# Allegro board BeagleBone-AI.brd (continued)
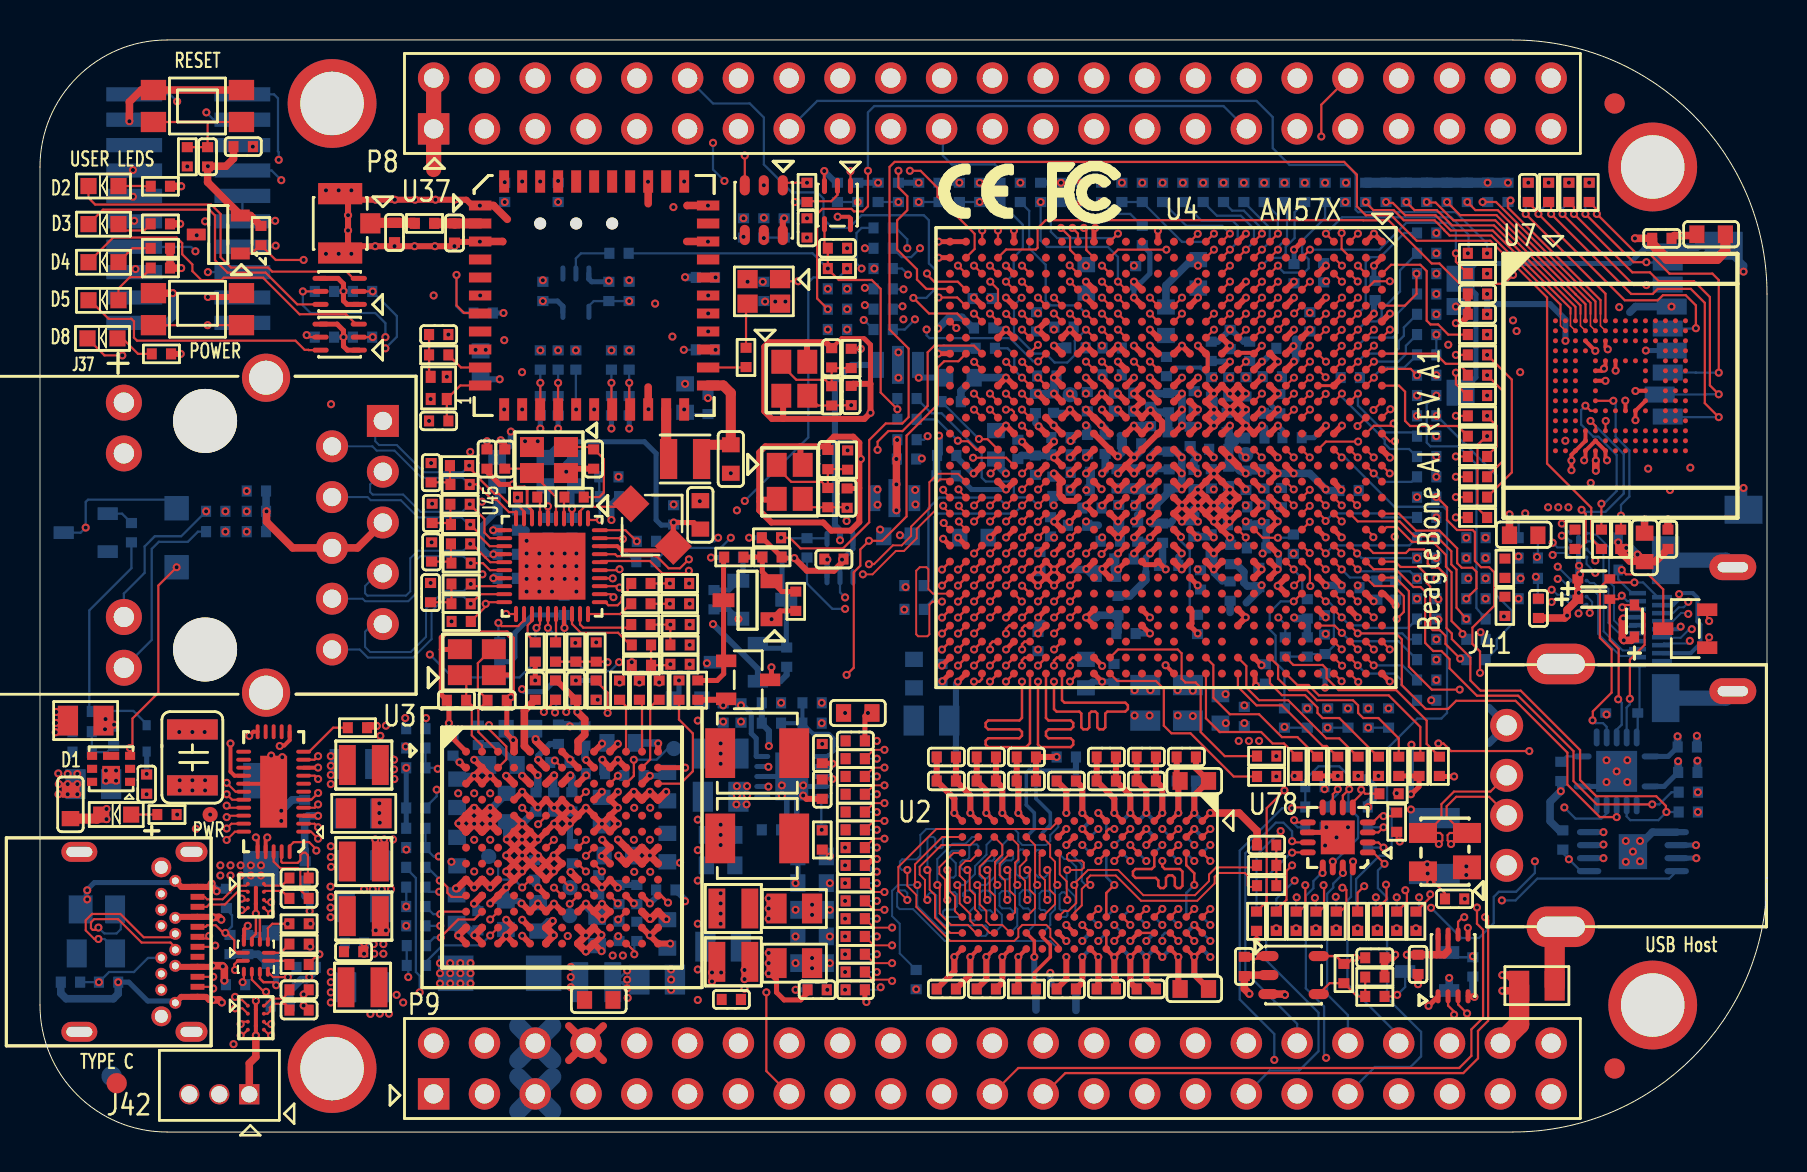
[diagram p0: board, top side]
## Nets (continued)
VDD_TYPE C: C480.1 C481.1 C482.1 C483.1 D81.1(A) Q15.1(D3) Q15.2(D4) Q15.5(D1) Q15.6(D2) Q15.7(D5) Q19.2 R555.2
A3_GPIO4_27: R682.1 U4.A3(VIN2A_D19/RGMII1_RXCTL)
A5_VOUT1_D12: R628.1 U4.A5(VOUT1_D12)
A7_GPIO8_18: P8.17 U4.A7(VOUT1_D18)
A8_GPIO8_19: R667.1 U4.A8(VOUT1_D19)
A9_GPIO8_21: R624.2 U4.A9(VOUT1_D21)
A10_GPIO8_23: R665.1 U4.A10(VOUT1_D23)
A11_SPI3_D1: R643.1 U4.A11(MCASP1_AXR9/PR2_MII0_TXD3)
A12_SPI3_CS0: P9.28 U4.A12(MCASP1_AXR11/PR2_MII0_TXD1)
A13_TIMER10: P8.10 U4.A13(MCASP1_AXR13/PR2_MII_MR0_CLK)
A21_UART8_TXD: R627.1 U4.A21(MCASP4_FSX/SPI3_D1)
A22_SPI2_CS1: P9.23 U4.A22(SPI1_CS1)
A26_UART3_RXD: R697.1 U4.A26(SPI2_SCLK)
AB5_MMC3_DATA7: P8.4 U4.AB5(MMC3_DAT7/PR2_MII1_RXD0)
AB8_MMC3_DATA6: P8.3 U4.AB8(MMC3_DAT6/PR2_MII1_RXD1)
AC3_MMC3_DATA3: P8.6 U4.AC3(MMC3_DAT3/PR2_MII1_RXDV)
AC4_MMC3_CMD: P8.20 U4.AC4(MMC3_CMD/PR2_MII1_TXD2)
AC6_MMC3_DATA1: P8.24 U4.AC6(MMC3_DAT1/PR2_MII1_TXD0)
AC7_MMC3_DATA0: P8.25 U4.AC7(MMC3_DAT0/PR2_MII1_TXD1)
AC8_MMC3_DATA4: P8.23 U4.AC8(MMC3_DAT4/PR2_MII1_RXD3)
AC9_MMC3_DATA2: P8.5 U4.AC9(MMC3_DAT2/PR2_MII_MR1_CLK)
AD4_MMC3_CLK: P8.21 R585.2
AD6_MMC3_DATA5: P8.22 U4.AD6(MMC3_DAT5/PR2_MII1_RXD2)
AD9_EQEP1A_IN: R629.1 U4.AD9(VIN1A_DE0)
AE2_GPIO3_24: R653.1 U4.AE2(VIN1A_D20)
AF8_TIMER13: R694.1 U4.AF8(VIN1A_VSYNC0)
AF9_EQEP1B_IN: R615.1 U4.AF9(VIN1A_FLD0)
AG4_GPIO3_12: P9.15 U4.AG4(VIN1A_D8)
AG6_GPIO3_10: P8.12 U4.AG6(VIN1A_D6)
AH4_GPIO3_11: P8.11 U4.AH4(VIN1A_D7)
AIN0: P9.39 U78.13(X+/AIN4/GPIO4)
AIN1: P9.40 U78.16(X-/AIN6/GPIO6)
AIN2: P9.37 U78.1(Y-/AIN7/GPIO7)
AIN3: P9.38 U78.15(Y+/AIN5/GPIO5)
AIN4: P9.33 U78.12(AIN3/GPIO3)
AIN5: P9.36 U78.11(AIN2/GPIO2)
AIN6: P9.35 U78.8(AIN0/GPIO0)
B3_GPIO4_28: P8.26 U4.B3(VIN2A_D20/RGMII1_RXD3)
B4_GPIO4_29: P8.16 U4.B4(VIN2A_D21/RGMII1_RXD2)
B7_GPIO8_16: R663.1 U4.B7(VOUT1_D16)
B8_GPIO8_17: R688.1 U4.B8(VOUT1_D17)
B9_GPIO8_22: R621.1 U4.B9(VOUT1_D22)
B10_VOUT1_DE: R620.1 U4.B10(VOUT1_DE)
B12_SPI3_SCLK: R645.1 U4.B12(MCASP1_AXR8/PR2_MII0_TXEN)
B13_SPI3_D0: P9.30 U4.B13(MCASP1_AXR10/PR2_MII0_TXD2)
B14_MCASP_ACLKR: P9.12 U4.B14(MCASP1_ACLKR)
B19_UART5_RXD: R687.1 U4.B19(MCASP3_AXR0/PR2_MII1_RXER)
B22_UART3_TXD: R695.1 U4.B22(SPI2_D1)
B24_SPI2_CS0: R632.1 U4.B24(SPI2_CS0)
B26_TIMER15: R696.1 U4.B26(XREF_CLK2)
C1_GPIO4_7: R580.2 U4.C1(VIN2A_D6/PR1_MII_MT1_CLK)
C2_GPIO4_14: R578.1 U4.C2(VIN2A_D13/RGMII1_TXCTL)
C3_GPIO4_15: R668.1 U4.C3(VIN2A_D14/RGMII1_TXD3)
C5_EHRPWM3B: P9.16 U4.C5(VIN2A_D18/RGMII1_RXC)
C6_VOUT1_D13: R614.1 U4.C6(VOUT1_D13)
C7_VOUT1_D15: R616.1 U4.C7(VOUT1_D15)
C8_VOUT1_D14: R619.1 U4.C8(VOUT1_D14)
C9_GPIO8_20: R623.1 U4.C9(VOUT1_D20)
C11_VOUT1_HSYNC: R625.1 U4.C11(VOUT1_HSYNC)
C14_MCASP1_ACLKX: R646.1 U4.C14(MCASP1_ACLKX/PR2_MDIO_MDCLK)
C17_UART5_TXD: P9.13 U4.C17(MCASP3_AXR1/PR2_MII1_RXLINK)
C18_UART8_RXD: R630.2 U4.C18(MCASP4_ACLKX/SPI3_SCLK)
C23_CLKOUT3: R579.1 U4.C23(XREF_CLK3/CLKOUT3)
CC1: D46.2 J42.A5(CC1) R533.1 U22.1(CC1)
CC2: D47.2 J42.B5(CC2) R534.1 U22.2(CC2)
CLKOUT3: P9.41 R579.2 R580.1
D1_GPIO4_3: R681.1 U4.D1(VIN2A_D2/ECAP1_IN_PWM1)
D2_UART10_CTSN: R639.1 U4.D2(VIN2A_D4)
D3_EHRPWM2B: P8.13 U4.D3(VIN2A_D10/PR1_MDIO_MDCLK)
D5_GPIO4_13: P8.14 U4.D5(VIN2A_D12/RGMII1_TXC)
D6_EHRPWM3A: P9.14 U4.D6(VIN2A_D17/RGMII1_TXD0)
D7_VOUT1_D10: R685.1 U4.D7(VOUT1_D10)
D8_VOUT1_D11: R683.1 U4.D8(VOUT1_D11)
D9_VOUT1_D9: R631.1 U4.D9(VOUT1_D9)
D11_VOUT1_CLK: R622.1 U4.D11(VOUT1_CLK)
D14_MCASP1_FSX: R644.1 U4.D14(MCASP1_FSX/PR2_MDIO_DATA)
D17_UART8_RTSN: R617.1 U4.D17(MCASP4_AXR1/SPI3_CS0)
D18_GPIO6_17: P9.25 R584.2
DC_SW_CTL: C457.2 D77.2(C) Q15.3(G) R553.2 R554.1
DDR1_A0: R36.1 U2.N3(A0) U4.AD20(DDR1_A0) U11.N3(A0)
DDR1_A1: R137.1 U2.P7(A1) U4.AC19(DDR1_A1) U11.P7(A1)
DDR1_A2: R37.1 U2.P3(A2) U4.AC20(DDR1_A2) U11.P3(A2)
DDR1_A3: R39.1 U2.N2(A3) U4.AB19(DDR1_A3) U11.N2(A3)
DDR1_A4: R136.1 U2.P8(A4) U4.AF21(DDR1_A4) U11.P8(A4)
DDR1_A5: R43.1 U2.P2(A5) U4.AH22(DDR1_A5) U11.P2(A5)
DDR1_A6: R131.1 U2.R8(A6) U4.AG23(DDR1_A6) U11.R8(A6)
DDR1_A7: R160.1 U2.R2(A7) U4.AE21(DDR1_A7) U11.R2(A7)
DDR1_A8: R123.1 U2.T8(A8) U4.AF22(DDR1_A8) U11.T8(A8)
DDR1_A9: R40.1 U2.R3(A9) U4.AE22(DDR1_A9) U11.R3(A9)
DDR1_A10: R125.1 U2.L7(A10) U4.AD21(DDR1_A10) U11.L7(A10)
DDR1_A11: R31.1 U2.R7(A11) U4.AD22(DDR1_A11) U11.R7(A11)
DDR1_A12: R132.1 U2.N7(A12) U4.AC21(DDR1_A12) U11.N7(A12)
DDR1_A13: R142.1 U2.T3(A13) U4.AF18(DDR1_A13) U11.T3(A13)
DDR1_A14: R128.1 U2.T7(A14) U4.AE17(DDR1_A14) U11.T7(A14)
DDR1_A15: R30.1 U2.M7(A15) U4.AD18(DDR1_A15) U11.M7(A15)
DDR1_BA0: R33.1 U2.M2(BA0) U4.AF17(DDR1_BA0) U11.M2(BA0)
DDR1_BA1: R34.1 U2.N8(BA1) U4.AE18(DDR1_BA1) U11.N8(BA1)
DDR1_BA2: R42.1 U2.M3(BA2) U4.AB18(DDR1_BA2) U11.M3(BA2)
DDR1_CASN: R140.1 U2.K3(CASN) U4.AC18(DDR1_CASN) U11.K3(CASN)
DDR1_CKE: R126.1 U2.K9(CKE) U4.AG22(DDR1_CKE) U11.K9(CKE)
DDR1_CLK0: R26.1 U2.J7(CK) U4.AG24(DDR1_CK) U11.J7(CK)
DDR1_CLK0N: R29.1 U2.K7(CKN) U4.AH24(DDR1_CKN) U11.K7(CKN)
DDR1_CSN0: R129.1 U2.L2(CSN) U4.AH23(DDR1_CSN0) U11.L2(CSN)
DDR1_D0: U4.AF25(DDR1_D0) U11.E3(DQ0)
DDR1_D1: U4.AF26(DDR1_D1) U11.F2(DQ2)
DDR1_D2: U4.AG26(DDR1_D2) U11.H7(DQ7)
DDR1_D3: U4.AH26(DDR1_D3) U11.H8(DQ5)
DDR1_D4: U4.AF24(DDR1_D4) U11.G2(DQ6)
DDR1_D5: U4.AE24(DDR1_D5) U11.H3(DQ4)
DDR1_D6: U4.AF23(DDR1_D6) U11.F7(DQ1)
DDR1_D7: U4.AE23(DDR1_D7) U11.F8(DQ3)
DDR1_D8: U4.AC23(DDR1_D8) U11.A2(DQ13)
DDR1_D9: U4.AF27(DDR1_D9) U11.D7(DQ8)
DDR1_D10: U4.AG27(DDR1_D10) U11.B8(DQ14)
DDR1_D11: U4.AF28(DDR1_D11) U11.C8(DQ10)
DDR1_D12: U4.AE26(DDR1_D12) U11.C3(DQ9)
DDR1_D13: U4.AC25(DDR1_D13) U11.C2(DQ11)
DDR1_D14: U4.AC24(DDR1_D14) U11.A7(DQ12)
DDR1_D15: U4.AD25(DDR1_D15) U11.A3(DQ15)
DDR1_D16: U2.H8(DQ5) U4.V20(DDR1_D16)
DDR1_D17: U2.H7(DQ7) U4.W20(DDR1_D17)
DDR1_D18: U2.E3(DQ0) U4.AB28(DDR1_D18)
DDR1_D19: U2.F2(DQ2) U4.AC28(DDR1_D19)
DDR1_D20: U2.G2(DQ6) U4.AC27(DDR1_D20)
DDR1_D21: U2.F7(DQ1) U4.Y19(DDR1_D21)
DDR1_D22: U2.H3(DQ4) U4.AB27(DDR1_D22)
DDR1_D23: U2.F8(DQ3) U4.Y20(DDR1_D23)
DDR1_D24: U2.A7(DQ12) U4.AA23(DDR1_D24)
DDR1_D25: U2.D7(DQ8) U4.Y22(DDR1_D25)
DDR1_D26: U2.C8(DQ10) U4.Y23(DDR1_D26)
DDR1_D27: U2.C3(DQ9) U4.AA24(DDR1_D27)
DDR1_D28: U2.B8(DQ14) U4.Y24(DDR1_D28)
DDR1_D29: U2.A2(DQ13) U4.AA26(DDR1_D29)
DDR1_D30: U2.A3(DQ15) U4.AA25(DDR1_D30)
DDR1_D31: U2.C2(DQ11) U4.AA28(DDR1_D31)
DDR1_DQM0: U4.AD23(DDR1_DQM0) U11.E7(LDM)
DDR1_DQM1: U4.AB23(DDR1_DQM1) U11.D3(UDM)
DDR1_DQM2: U2.E7(LDM) U4.AC26(DDR1_DQM2)
DDR1_DQM3: U2.D3(UDM) U4.AA27(DDR1_DQM3)
DDR1_DQS0: U4.AH25(DDR1_DQS0) U11.F3(LDQS)
DDR1_DQS1: U4.AE27(DDR1_DQS1) U11.C7(UDQS)
DDR1_DQS2: U2.F3(LDQS) U4.AD27(DDR1_DQS2)
DDR1_DQS3: U2.C7(UDQS) U4.Y28(DDR1_DQS3)
DDR1_DQSN0: U4.AG25(DDR1_DQS0N) U11.G3(LDQSN)
DDR1_DQSN1: U4.AE28(DDR1_DQS1N) U11.B7(UDQSN)
DDR1_DQSN2: U2.G3(LDQSN) U4.AD28(DDR1_DQS2N)
DDR1_DQSN3: U2.B7(UDQSN) U4.Y27(DDR1_DQS3N)
DDR1_ODT0: R161.1 U2.K1(ODT) U4.AE20(DDR1_ODT0) U11.K1(ODT)
DDR1_RASN: R25.1 U2.J3(RASN) U4.AF20(DDR1_RASN) U11.J3(RASN)
DDR1_RST: R139.1 U2.T2(RESET#) U4.AG21(DDR1_RST) U11.T2(RESET#)
DDR1_WEN: R143.1 U2.L3(WEN) U4.AH21(DDR1_WEN) U11.L3(WEN)
DDR_VREF_IN: C1.1 R1.1 R2.1 U1.1(REFIN)
DDR_VREFSTL: C8.1 C20.1 C35.1 C98.1 C99.2 C143.2 C144.1 C158.1 C209.1 U1.6(REFOUT) U2.H1(VREF_DQ) U2.M8(VREF_CA) U4.N22(DDR2_VREF) U4.Y18(DDR1_VREF) U11.H1(VREF_DQ) U11.M8(VREF_CA)
DIR: R541.1 U22.4(DIR) U72.10(SS_SEL) U72.32(HS_SEL)
E6_EHRPWM2A: P8.19 U4.E6(VIN2A_D9/PR1_MII1_TXD2)
E7_LCD_DATA7: P8.40 U4.E7(VOUT1_D7)
E8_VOUT1_D8: R626.1 U4.E8(VOUT1_D8)
E9_LCD_DATA4: P8.41 U4.E9(VOUT1_D4)
E11_VOUT1_VSYNC: R666.1 U4.E11(VOUT1_VSYNC)
E14_GPIO4_18: R577.1 U4.E14(MCASP1_AXR12/PR2_MII0_TXD0)
E17_TIMER14: P8.9 U4.E17(XREF_CLK1/PR2_MII1_CRS)
E21_UART10_RXD: R652.1 U4.E21(GPIO6_14)
EMMC_RSTN: R56.1 U7.K5(R\S\T\)
F2_GPIO4_1: R686.1 U4.F2(VIN2A_D0/PR1_UART0_RXD)
F4_UART10_RTSN: R635.1 U4.F4(VIN2A_D5/PR1_PRU1_R30_2)
F5_GPIO4_9: P8.18 U4.F5(VIN2A_D8/PR1_MII1_TXD3)
F8_LCD_DATA6: P8.39 U4.F8(VOUT1_D6)
F9_LCD_DATA5: P8.42 U4.F9(VOUT1_D5)
F10_LCD_DATA2: P8.43 U4.F10(VOUT1_D2)
F11_VOUT1_D0: R662.1 U4.F11(VOUT1_D0)
F12_GPIO5_3: R633.1 U4.F12(MCASP1_AXR1/PR2_MII_MT0_CLK)
F14_TIMER12: P8.8 U4.F14(MCASP1_AXR15/PR2_MII0_RXD3)
F20_UART10_TXD: P9.24 U4.F20(GPIO6_15)
G6_GPIO4_0: R684.1 U4.G6(VIN2A_VSYNC0)
G10_VOUT1_D1: R664.1 U4.G10(VOUT1_D1)
G11_LCD_DATA3: P8.44 U4.G11(VOUT1_D3)
G12_GPIO5_2: R636.2 U4.G12(MCASP1_AXR0/PR2_MII0_RXER)
G14_TIMER11: P8.7 U4.G14(MCASP1_AXR14/PR2_MII0_RXDV)
G16_UART8_CTSN: R618.2 U4.G16(MCASP4_AXR0/SPI3_D0)
G17_SPI2_D0: R637.1 U4.G17(SPI2_D0)
GPIO3_7: Q18.1(G) R700.1 U4.AH6(VIN1A_D3)
GPIO3_14: R387.1 T1.2(G1) U4.AG3(VIN1A_D10)
GPIO3_15: R389.1 T1.5(G1) U4.AG5(VIN1A_D11)
GPIO3_17: R392.1 T2.5(G1) U4.AF6(VIN1A_D13)
GPIO3_18: U4.AF3(VIN1A_D14) U37.12(WL_REG_ON)
GPIO3_20: R338.2 U4.AF1(VIN1A_D16) U37.7(BT_HOST_WAKE)
GPIO3_21: U4.AE3(VIN1A_D17) U37.6(BT_WAKE)
GPIO3_22: U4.AE5(VIN1A_D18) U37.34(BT_REG_ON)
GPIO3_23: U4.AE1(VIN1A_D19) U37.13(WL_HOST_WAKE)
GPIO4_3: P8.15 R681.2 R682.2
GPIO4_18: P9.42 R577.2 R578.2
GPIO5_18: R516.1 U4.V2(UART3_RXD/PR1_MII0_RXDV) U48.5(O\C\)
GPIO5_19: R475.1 U4.Y1(UART3_TXD/PR1_MII0_MR0CLK) U45.20(INT)
GPIO_0: R19.2 U3.B12(GPIO_0)
GPIO_1: R18.2 U3.C13(GPIO_1)
GPIO_2: R20.2 U3.A12(GPIO_2)
GPIO_3: R113.2 U3.H9(GPIO_3)
GPIO_4: R107.2 U3.K10(GPIO_4)
GPIO_5: R104.2 U3.C10(GPIO_5)
GPIO_6: R103.2 U3.N11(GPIO_6)
GPIO_7: R155.2 R156.2 U3.G9(GPIO_7)
GPMC_AD0: R596.1 R692.2 U4.M6(GPMC_AD0/GPIO)
GPMC_AD1: R597.1 R689.2 U4.M2(GPMC_AD1/GPIO)
GPMC_AD2: R598.1 R693.2 U4.L5(GPMC_AD2/GPIO)
GPMC_AD3: R38.2 R493.1 U4.M1(GPMC_AD3/GPIO)
GPMC_AD4: R164.2 R690.1 U4.L6(GPMC_AD4/GPIO)
GPMC_AD5: R162.2 R691.1 U4.L4(GPMC_AD5/GPIO)
GPMC_AD6: R599.1 U4.L3(GPMC_AD6/GPIO)
GPMC_AD7: R600.1 U4.L2(GPMC_AD7/GPIO)
GPMC_AD8: R44.2 U4.L1(GPMC_AD8)
GPMC_AD9: R601.1 U4.K2(GPMC_AD9)
GPMC_AD10: R602.1 U4.J1(GPMC_AD10)
GPMC_AD11: R603.1 U4.J2(GPMC_AD11)
GPMC_AD12: R604.1 U4.H1(GPMC_AD12)
GPMC_AD13: R605.1 U4.J3(GPMC_AD13)
GPMC_AD14: R606.1 U4.H2(GPMC_AD14)
GPMC_AD15: R168.2 U4.H3(GPMC_AD15)
H5V: D23.2 J91.19(+5V) Q19.3
HDMI_CEC: D25.2 J91.15(CEC) U12.12(B2)
HDMI_CKN: J91.14(CLK-) U91.A3(CH2_IN+)
HDMI_CKP: J91.12(CLK+) U91.A4(CH2_IN-)
HDMI_CLKN: U4.AG16(HDMI1_CLOCKX) U91.C3(CH2_OUT+)
HDMI_CLKP: U4.AH16(HDMI1_CLOCKY) U91.C4(CH2_OUT-)
HDMI_DATA0N: U4.AG17(HDMI1_DATA0X) U91.C1(CH1_OUT+)
HDMI_DATA0P: U4.AH17(HDMI1_DATA0Y) U91.C2(CH1_OUT-)
HDMI_DATA1N: U4.AG18(HDMI1_DATA1X) U92.C3(CH2_OUT+)
HDMI_DATA1P: U4.AH18(HDMI1_DATA1Y) U92.C4(CH2_OUT-)
HDMI_DATA2N: U4.AG19(HDMI1_DATA2X) U92.C1(CH1_OUT+)
HDMI_DATA2P: U4.AH19(HDMI1_DATA2Y) U92.C2(CH1_OUT-)
HDMI_DDC_CEC: R409.2 U4.B20(SPI1_CS3/HDMI_CEC) U12.3(A2)
HDMI_DDC_HPD: R705.2 U4.B21(SPI1_CS2/HDMI_HPD) U12.2(A1)
HDMI_DDC_SCL: R530.2 U4.C25(I2C2_SDA/HDMI1_DDC_SCL) U12.4(A3)
HDMI_DDC_SDA: R531.2 U4.F17(I2C2_SCL/HDMI1_DDC_SDA) U12.5(A4)
HDMI_HPD: D24.2 J91.1(HPLG) U12.13(B1)
HDMI_SCL: D21.2 J91.17(SCL) U12.11(B3)
HDMI_SDA: D22.2 J91.18(SDA) U12.10(B4)
HDMI_T0N: J91.11(DAT0-) U91.A1(CH1_IN+)
HDMI_T0P: J91.9(DAT0+) U91.A2(CH1_IN-)
HDMI_T1N: J91.8(DAT1-) U92.A3(CH2_IN+)
HDMI_T1P: J91.6(DAT1+) U92.A4(CH2_IN-)
HDMI_T2N: J91.5(DAT2-) U92.A1(CH1_IN+)
HDMI_T2P: J91.3(DAT2+) U92.A2(CH1_IN-)
I2C1_SCL: R148.1 R149.1 R193.1 R542.2 R706.1 U4.C20(I2C1_SCL)
I2C1_SDA: R145.1 R146.1 R194.1 R543.2 R707.1 U4.C21(I2C1_SDA)
I2C4_SCL: P9.19 R634.2 R635.2
I2C4_SDA: P9.20 R638.2 R639.2
I2C5_SCL: P9.17 R632.2 R633.2
I2C5_SDA: P9.18 R636.1 R637.2
ID: R546.2 U4.AG2(VIN1A_D9) U22.9(ID)
INT_ADC: R567.2 U4.AG8(VIN1A_CLK0) U78.2(INT)
INT_TYPE C: R545.1 U4.AE6(VIN1A_D21) U22.6(INT_N/OUT3)
J14_MCASP_FSR: R669.1 U4.J14(MCASP1_FSR)
JTAG_EMU0: P2.13(EMU0) R192.2 U4.G21(EMU0)
JTAG_EMU1: P2.14(EMU1) R180.2 U4.D24(EMU1)
JTAG_RTCK: P2.9(TCKRTN) P2.11(TCK) R199.2 R200.2
JTAG_TDI: P2.3(TDI) U4.D23(TDI)
JTAG_TDO: P2.7(TDO) U4.F19(TDO)
JTAG_TMS: P2.1(TMS) U4.F18(TMS)
JTAG_TRSTN: P2.2(TRSTN) R189.1 U4.D20(TRSTN)
LCD_CLK: P8.28 R622.2 R623.2
LCD_DATA0: P8.45 R662.2 R663.2
LCD_DATA1: P8.46 R664.2 R665.2
LCD_DATA8: P8.37 R626.2 R627.2
LCD_DATA9: P8.38 R630.1 R631.2
LCD_DATA10: P8.36 R685.2 R686.2
LCD_DATA11: P8.34 R683.2 R684.2
LCD_DATA12: P8.35 R628.2 R629.2
LCD_DATA13: P8.33 R614.2 R615.2
LCD_DATA14: P8.31 R618.1 R619.2
LCD_DATA15: P8.32 R616.2 R617.2
LCD_DE: P8.30 R620.2 R621.2
LCD_HSYNC: P8.29 R624.1 R625.2
LCD_VSYNC: P8.27 R666.2 R667.2
LPO_IN_32K: R576.2 U37.24(LPO)
MCASP2_ACLKX: R608.2 U37.26(PCM_CLK)
MCASP2_AXR0: R609.2 U37.27(PCM_IN)
MCASP2_AXR1: R610.2 U4.A15(MCASP2_AXR1)
MCASP2_FSX: R607.2 U37.28(PCM_SYNC)
MCASP_FSR: P9.27 R668.2 R669.2
MDIO_CLK: R24.1 R470.1 U4.V1(MDIO_MCLK)
MDIO_D: R134.1 R469.1 U4.U4(MDIO_D)
MII0_CLK_25M: R467.1 U45.23(CLK_25M)
MII0_CT: C335.1 C336.1 J37.5(TCT) J37.6(RCT) R463.1
MII0_LED_10_100: J37.12(GRL-/OG+) R660.2
MII0_LED_1000: J37.11(GRL+/OG-) R483.1 U45.22(LED_1000)
MII0_LED_ACT: J37.13(YEL-) R482.1 U45.21(LED_ACT)
MII0_LED_YEL: J37.14(YEL+) R457.1
MII0_MDC: R470.2 U45.40(MDC)
MII0_MDIO: R469.2 U45.39(MDIO)
MII0_RBIAS: R465.1 U45.7(RBIAS)
MII0_RESETN: C495.1 R455.2 R641.1 R698.1 U45.1(RESTN) U90.4(Y)
MII0_RX_CLK: R466.2 U45.31(RX_CLK)
MII0_RX_DV: R464.2 U45.30(RX_DV)
MII0_RXD0: R458.2 U45.29(RXD0)
MII0_RXD1: R459.2 U45.28(RXD1)
MII0_RXD2: R460.2 U45.26(RXD2)
MII0_RXD3: R462.2 U45.25(RXD3)
MII0_TR0: C338.1 R468.2 R472.2
MII0_TR1: C341.1 R473.2 R474.2
MII0_TR2: C342.1 R476.2 R477.2
MII0_TR3: C343.1 R479.2 R480.2
MII0_TRN0: J37.2(TD1-) R472.1 U45.10(TRXN0)
MII0_TRN1: J37.4(TD2-) R474.1 U45.13(TRXN1)
MII0_TRN2: J37.8(RD1-) R477.1 U45.16(TRXN2)
MII0_TRN3: J37.10(RD2-) R480.1 U45.19(TRXN3)
MII0_TRP0: J37.1(TD1+) R468.1 U45.9(TRXP0)
MII0_TRP1: J37.3(TD2+) R473.1 U45.12(TRXP1)
MII0_TRP2: J37.7(RD1+) R476.1 U45.15(TRXP2)
MII0_TRP3: J37.9(RD2+) R479.1 U45.18(TRXP3)
MII0_TX_CLK: R97.1 U4.W9(RGMII0_TXC)
MII0_TX_EN: R96.1 U4.V9(RGMII0_TXCTL)
MII0_TXD0: R92.1 U4.U6(RGMII0_TXD0)
MII0_TXD1: R93.1 U4.V6(RGMII0_TXD1)
MII0_TXD2: R94.1 U4.U7(RGMII0_TXD2)
MII0_TXD3: R95.1 U4.V7(RGMII0_TXD3)
MII0_XI: C337.1 U45.5(XTLI) X9.3
MII0_XO: C334.1 R461.2 X9.1
MII0_XO_R: R461.1 U45.4(XTLO)
MII0A_1.1V: C348.1 C351.1 C352.1 FB3.2 U45.6(AVDDL1) U45.11(AVDDL2) U45.17(AVDDL3)
MII0D_1.1V: C349.1 C350.1 FB3.1 L15.1 U45.38(DVDDL)
MII0D_2.5V: C339.1 C340.1 R457.2 R463.2 R482.2 R483.2 U45.8(VDDH_REG) U45.27(VDDIO_REG)
MII0D_LX: L15.2 U45.2(LX)
MMC1_CLK: C473.1 J90.5(CLOCK) R421.2 R583.2
MMC1_CMD: J90.3(CMD) R420.2 U4.Y6(MMC1_CMD)
MMC1_DATA0: J90.7(DAT0) R422.2 U4.AA6(MMC1_DAT0)
MMC1_DATA1: J90.8(DAT1) R423.2 U4.Y4(MMC1_DAT1)
MMC1_DATA2: J90.1(DAT2) R418.2 U4.AA5(MMC1_DAT2)
MMC1_DATA3: J90.2(CD/DAT3) R419.2 U4.Y3(MMC1_DAT3)
MMC1_SDCD: J90.9(CD) R424.2 U4.W7(MMC1_SDCD)
MMC2_CLK: R202.2 U7.M6(CLK)
MMC2_CMD: R188.2 U4.H6(GPMC_CS1/MMC2_CMD) U7.M5(CMD)
MMC2_DAT0: R186.2 U4.J4(GPMC_A24/MMC2_DAT0) U7.A3(DAT0)
MMC2_DAT1: R185.2 U4.J6(GPMC_A25/MMC2_DAT1) U7.A4(DAT1)
MMC2_DAT2: R184.2 U4.H4(GPMC_A26/MMC2_DAT2) U7.A5(DAT2)
MMC2_DAT3: R179.2 U4.H5(GPMC_A27/MMC2_DAT3) U7.B2(DAT3)
MMC2_DAT4: R178.2 U4.K7(GPMC_A19/MMC2_DAT4) U7.B3(DAT4)
MMC2_DAT5: R177.2 U4.M7(GPMC_A20/MMC2_DAT5) U7.B4(DAT5)
MMC2_DAT6: R176.2 U4.J5(GPMC_A21/MMC2_DAT6) U7.B5(DAT6)
MMC2_DAT7: R175.2 U4.K6(GPMC_A22/MMC2_DAT7) U7.B6(DAT7)
MMC4_CLK: R582.1 U37.17(SDIO_DATA_CLK)
MMC4_CMD: R563.2 R581.1 U37.16(SDIO_DATA_CMD)
MMC4_DATA0: R336.1 U4.D28(UART2_RXD)
MMC4_DATA0_R: R336.2 R564.2 U37.18(SDIO_DATA_0)
MMC4_DATA1: R337.1 U4.D26(UART2_TXD)
MMC4_DATA1_R: R337.2 R565.2 U37.19(SDIO_DATA_1)
MMC4_DATA2: R333.1 U4.D27(UART2_CTSN/UART3_RXD)
MMC4_DATA2_R: R333.2 R561.2 U37.14(SDIO_DATA_2)
MMC4_DATA3: R334.1 U4.C28(UART2_RTSN/UART3_TXD)
MMC4_DATA3_R: R334.2 R562.2 U37.15(SDIO_DATA_3)
MR_L: R595.2 U10.3(M\R\)
ON_OFF: TP4.1(TP) U4.Y11(ON_OFF)
OSC0_IN: C13.1 R11.1 U4.AE15(XI_OSC0) X7.3
OSC0_OUT: R14.1 U4.AD15(XO_OSC0)
OSC1_IN: C15.1 R12.1 U4.AC15(XI_OSC1) X8.3
OSC1_OUT: R15.1 U4.AC13(XO_OSC1)
PMIC_INT: R152.2 U4.F21(GPIO6_16)
PMIC_RESET_IN_L: R157.1 U3.K9(RESET_IN)
PMIC_RSTOUTN: R124.1 U3.G6(RESET_OUT) U6.1(INB)
PORZ: C321.1 R595.1 S1.2 S1.4
PORZN: R70.2 U4.F22(PORZ)
PWR_BUT: C320.1 P9.9 R589.1 S3.2 S3.4
PWR_OV_CTL: D76.2(C) R551.2 R552.1
R6_GPIO7_3: R634.1 U4.R6(GPMC_A0/VIN4B_D0)
RESETN: C267.1 R169.1 R642.1 U4.E23(RESETN)
RF_ANT_2G4: C488.1 R385.2 U37.2(ANT)
RGMII0_RXC: R466.1 R491.1 U4.U5(RGMII0_RXC)
RGMII0_RXCTL: R464.1 R487.1 U4.V5(RGMII0_RXCTL)
RGMII0_RXD0: R458.1 R486.1 R488.2 U4.W2(RGMII0_RXD0)
RGMII0_RXD1: R459.1 R484.1 R489.2 U4.Y2(RGMII0_RXD1)
RGMII0_RXD2: R460.1 R485.1 R490.2 U4.V3(RGMII0_RXD2)
RGMII0_RXD3: R462.1 R481.1 U4.V4(RGMII0_RXD3)
RGMII0_TXC: R97.2 U45.33(GTX_CLK)
RGMII0_TXCTL: R96.2 U45.32(TX_EN)
RGMII0_TXD0: R92.2 U45.34(TXD0)
RGMII0_TXD1: R93.2 U45.35(TXD1)
RGMII0_TXD2: R94.2 U45.36(TXD2)
RGMII0_TXD3: R95.2 U45.37(TXD3)
RGMII_RST: R698.2 U4.N1(GPMC_ADVN_ALE)
RST_PMIC_L: R57.2 R58.1 R159.1
RSTN: R83.2 U6.2(INA)
RSTOUTN: R57.1 U4.F23(RSTOUTN) U8.2(A)
RTC_ISO: R89.1 U4.AF14(RTC_ISO)
RTC_PORZ_L: R90.1 U4.AB17(RTC_PORZ)
RTC_PORZN: C80.1 R70.1 R89.2 R90.2 R680.1 U6.4(OUT)
SPI3_D1: P9.29 R643.2 R644.2
SPI3_SCLK: P9.31 R645.2 R646.2
SSRX1+: J42.B11(SSRXP1) U88.A3(CH2_IN+)
SSRX1-: J42.B10(SSRXN1) U88.A4(CH2_IN-)
SSRX1N_A: U72.26(RXNA) U88.C4(CH2_OUT-)
SSRX1P_A: U72.27(RXPA) U88.C3(CH2_OUT+)
SSRX2+: J42.A11(SSRXP2) U89.A3(CH2_IN+)
SSRX2-: J42.A10(SSRXN2) U89.A4(CH2_IN-)
SSRX2N_A: U72.22(RXNB) U89.C4(CH2_OUT-)
SSRX2P_A: U72.23(RXPB) U89.C3(CH2_OUT+)
SSTX1+: J42.A2(SSTXP1) U88.A1(CH1_IN+)
SSTX1-: J42.A3(SSTXN1) U88.A2(CH1_IN-)
SSTX1N_A: C444.1 U88.C2(CH1_OUT-)
SSTX1N_C: C444.2 U72.30(TXNA)
SSTX1P_A: C443.1 U88.C1(CH1_OUT+)
SSTX1P_C: C443.2 U72.31(TXPA)
SSTX2+: J42.B2(SSTXP2) U89.A1(CH1_IN+)
SSTX2-: J42.B3(SSTXN2) U89.A2(CH1_IN-)
SSTX2N_A: C445.1 U89.C2(CH1_OUT-)
SSTX2N_C: C445.2 U72.24(TXNB)
SSTX2P_A: C446.1 U89.C1(CH1_OUT+)
SSTX2P_C: C446.2 U72.25(TXPB)
STATUS_LED0: R390.1 T2.2(G1) U4.J11(MCASP1_AXR3)
SYS_RESETN1: R680.2 U90.2(A)
SYS_RESETN2: P9.10 R55.2
SYS_WARMRESETN: P2.15(SRST) R642.2
T9_GPIO7_4: R638.1 U4.T9(GPMC_A1/VIN4B_D1)
TYPEC_VBUS: C456.1 C457.1 J42.A4(VBUS0) J42.A9(VBUS1) J42.B4(VBUS2) J42.B9(VBUS3) Q14.2(E) Q15.4(S1) Q15.8(S2) R540.1 R551.1 R553.1 R555.1
U12_EN: R704.2 U12.8(OE)
UART1_RX: J92.2 U46.2(1A)
UART1_RXD: R173.2 U4.B27(UART1_RXD/GPIO) U46.6(1Y)
UART1_TX: J92.3 U46.3(2Y)
UART1_TXD: U4.C26(UART1_TXD/GPIO) U46.5(2A)
UART3_RXD: P9.22 R696.2 R697.2
UART3_TXD: P9.21 R694.2 R695.2
UART5_RXD: P9.11 R687.2 R688.2
UART6_CTSN: R413.2 U4.R5(GPMC_A6/VIN4B_D6) U37.41(UART_RST_N)
UART6_RTSN: R560.2 U4.P5(GPMC_A7/VIN4B_D7) U37.44(UART_CTS_N)
UART6_RXD: U4.P6(GPMC_A4/VIN4B_D4) U37.42(UART_TXD)
UART6_TXD: U4.R9(GPMC_A5/VIN4B_D5) U37.43(UART_RXD)
UART10_RXD: P9.26 R652.2 R653.2
USB1_DM: D78.3(IO2) J42.A7(DN1) J42.B7(DN2) U4.AC12(USB1_DM)
USB1_DP: D78.2(IO1) J42.A6(DP1) J42.B6(DP2) U4.AD12(USB1_DP)
USB2_DM: D79.2(IO1) J41.2(P2) U4.AF11(USB2_DM)
USB2_DP: D79.3(IO2) J41.3(P3) U4.AE11(USB2_DP)
USB2_DRVVBUS: R112.1 U4.AC10(USB2_DRVVBUS) U48.4(EN)
USB_RXN0: U4.AF12(USB_RXN0) U72.5(RX-)
USB_RXP0: U4.AE12(USB_RXP0) U72.4(RX+)
USB_TXN0: U4.AC11(USB_TXN0) U72.2(TX-)
USB_TXP0: U4.AD11(USB_TXP0) U72.1(TX+)
USB_VBUS: C326.1 C327.2 D79.4(VBUS) J41.1(P1) U48.6(OUT3) U48.7(OUT2) U48.8(OUT1)
VTT: C6.1 C7.1 C41.1 C42.1 C60.1 C61.1 C90.1 C91.1 C153.1 C225.1 C226.1 C291.1 C292.1 R25.2 R30.2 R31.2 R33.2 R34.2 R36.2 R37.2 R39.2 R40.2 R42.2 R43.2 R84.1 R123.2 R125.2 R126.2 R128.2 R129.2 R131.2 R132.2 R136.2 R137.2 R140.2 R142.2 R143.2 R160.2 R161.2 U1.3(VO)
WIFI/BT_VDDIO: C3.1 R611.1 U37.22(VDD_IO)
WIFI_LDO_IN: C464.1 L30.2 U37.23(VIN_LDO)
WIFI_LDO_OUT: L30.1 U37.21(VIN_LDO_OUT)
X4_XTAL_IN: R294.2 U37.10(XTAL_IN)
X4_XTAL_IN_R: C463.1 R294.1 X4.3
X4_XTAL_OUT: C68.1 U37.11(XTAL_OUT) X4.1
N22317335: C51.2 U3.A3(OSC16MIN) X6.3
N22317542: C52.2 U3.A2(OSC16MOUT) X6.1
N22318396: C147.2 U3.B7(VBG)
N22318471: R149.2 U3.H8(I2C2_SDA_SDO)
N22318542: R146.2 U3.M3(I2C2_SCL_SCE)
N22319110: R148.2 U3.L1(I2C1_SCL_SCK)
N22319134: R145.2 U3.L2(I2C1_SDA_SDI)
N22319210: R159.2 U3.E6(NRESWARM)
N22319298: R589.2 U3.G8(PWRON)
N22319404: TP2.1(TP) U3.C11(RPWRON)
N22319442: R147.2 U3.L3(BOOT0)
N22319541: R150.2 R151.2 U3.K7(BOOT1)
N22321366: TP7.1(TP) U3.J5(ENABLE1)
N22323098: TP3.1(TP) U3.K8(PWRDOWN)
N22326306: R130.2 U3.B3(VCC_SENSE)
N22326340: R108.2 U3.A11(VCC_SENSE2)
N22327571: R121.2 U3.D8(VBUS)
N22330601: R152.1 U3.K1(INT)
N22353475: L1.1 U3.E11(SMPS1_SW_1) U3.E12(SMPS1_SW_2) U3.E13(SMPS1_SW_3)
N22353588: L2.1 U3.F11(SMPS2_SW1) U3.F12(SMPS2_SW2) U3.F13(SMPS2_SW3)
N22357225: L16.1 U3.J11(SMPS3_SW1) U3.J12(SMPS3_SW2) U3.J13(SMPS3_SW3)
N22362935: L17.1 U3.G1(SMPS4_SW1) U3.G2(SMPS4_SW2) U3.G3(SMPS4_SW3)
N22362999: L18.1 U3.H1(SMPS5_SW1) U3.H2(SMPS5_SW2) U3.H3(SMPS5_SW3)
N22363275: L19.1 U3.M5(SMPS6_SW#M5) U3.N5(SMPS6_SW#N5)
N22363654: L20.1 U3.D1(SMPS7_SW1) U3.D2(SMPS7_SW2) U3.D3(SMPS7_SW3)
N22363823: L21.1 U3.M10(SMPS8_SW#M10) U3.N10(SMPS8_SW#N10)
N22364166: L22.1 U3.M7(SMPS9_SW#M7) U3.N7(SMPS9_SW#N7)
N22371969: R88.1 U11.L8(ZQ)
N22372392: R22.1 U2.L8(ZQ)
N22451440: R202.1 U4.J7(GPMC_A23/MMC2_CLK)
N22468818: C14.1 R11.2 R14.2 X7.1
N22564962: C16.1 R12.2 R15.2 X8.1
N22636977: R174.1 R182.2 U4.D21(NMI_DSP)
N22839257: D7.2(NC) R86.1 R87.2 R91.1
N22839261: D7.3(K) Q4.1(B) R85.2 R86.2
N22933468: D6.3(K) Q1.1(B) R9.2 R13.2
N22933472: D6.2(NC) R8.2 R13.1 R17.1
N22969864: C133.1 U3.C8(LDOVANA_OUT)
N23030456: C69.1 R54.2 R55.1 R56.2 R641.2 U8.4(Y)
N23038414: R82.2 R83.1 U10.1(R\S\T\)
N23038804: C81.2 U10.4(CT)
N23039545: C87.2 R74.2 U10.5(SENSE)
N23050874: R585.1 U4.AD4(MMC3_CLK/PR2_MII1_TXD3)
N23050912: R584.1 U4.D18(XREF_CLK0/PR2_MII1_COL)
N23051823: R583.1 U4.W6(MMC1_CLK)
N23326687: R199.1 U4.E18(RTCK)
N23326694: R200.1 U4.E20(TCK)
N23442368: R100.1 U4.AE14(RTC_OSC_XI)
N23442594: R101.1 U4.AD17(WAKEUP0)
N23442637: R99.1 U4.AC16(WAKEUP3)
N23442639: R98.1 U4.AB16(WAKEUP2)
N23442674: R102.1 U4.AC17(WAKEUP1)
N23513914: R582.2 U4.E25(UART1_CTSN/GPIO)
N23597716: R27.2 U3.E5(NSLEEP)
N23656380: R183.1 U7.A6(NC5)
N23656488: R201.1 U7.J5(NC60)
N24572118: D5.2(C) T1.6(D1)
N24572172: D5.1(A) R590.1
N24572186: D4.1(A) R591.1
N24572188: D4.2(C) T1.3(D1)
N24572248: D3.2(C) T2.6(D1)
N24572250: D3.1(A) R592.1
N24572322: D2.1(A) R593.1
N24572324: D2.2(C) T2.3(D1)
N24828742: R581.2 U4.C27(UART1_RTSN/GPIO)
N24884777: R537.1 U72.11(OE)
N24893755: R540.2 U22.3(VBUS_DET)
N24895491: R542.1 U22.8(SCL/OUT2)
N24896459: R543.1 U22.7(SDA/OUT1)
N24952649: D77.1(A) Q14.3(C)
N24952688: Q14.1(B) R552.2
N24981990: R3.1 U1.9(PGOOD)
N24982040: C92.1 R84.2 U1.5(VOSNS)
N24982198: R4.1 U1.7(EN)
N24984890: C49.1 R26.2 R29.2
N25034157: R660.1 U45.24(LED_10_100)
N25040645: R610.1 U37.25(PCM_OUT)
N25041354: C268.1 J33.1(IN) R385.1
N25042473: OSC1.3(OUT) R576.1
N25042541: OSC1.1(OE/S\T\) R588.1
N25046465: C466.1 FB5.2 R566.1 R567.1 U78.6(VCC) U78.14(VIO)
N25046575: R566.2 U78.7(SPI_DI)
N25046904: R572.2 U78.3(A0/SPI_DO)
N25070930: D1.1(A) R594.1
N25114550: R608.1 U4.A19(MCASP2_ACLKX/PR2_MII0_RXD2)
N25114553: R607.1 U4.A18(MCASP2_FSX/PR2_MII0_RXD1)
N25114574: R609.1 U4.B15(MCASP2_AXR0)
N25284807: R571.1 U78.9(AIN1/GPIO1/MODE)
N25422284: R119.1 U4.AB10(USB1_DRVVBUS)
N25698906: C275.1 U4.J10(CAP_VDDRAM_DSPEVE1)
N25698920: C260.1 U4.J19(CAP_VDDRAM_CORE2)
N25698922: C277.1 U4.K9(CAP_VBBLDO_DSPEVE)
N25698924: C279.1 U4.K16(CAP_VDDRAM_MPU1)
N25698926: C254.1 U4.K19(CAP_VDDRAM_MPU2)
N25698938: C273.1 U4.J16(CAP_VBBLDO_MPU)
N25698940: C274.1 U4.J9(CAP_VDDRAM_DSPEVE2)
N25698946: C179.1 U4.T20(CAP_VDDRAM_IVA)
N25698948: C106.1 U4.Y13(CAP_VDDRAM_GPU)
N25698950: C107.1 U4.Y14(CAP_VBBLDO_GPU)
N25698952: C108.1 U4.Y15(CAP_VDDRAM_CORE3)
N25698960: C204.1 U4.R20(CAP_VBBLDO_IVA)
N25698962: C214.1 U4.P19(CAP_VDDRAM_CORE4)
N25698964: C276.1 U4.L9(CAP_VDDRAM_CORE1)
N25698978: C109.1 U4.Y16(CAP_VDDRAM_CORE5)
N25699105: TP8.1(TP) U4.K14(RSVK14)
N25805939: R656.1 R657.1 R658.1 U40.4(FB/BP)
N25806056: Q17.3(D) R658.2
N25820129: R661.1 U37.29(NC6)
N25821506: TP10.1(TP) U72.8(USB_ID)
N26018296: TP11.1(TP) U3.J7(POWERGOOD)
N26018478: R670.1 U4.V27(DDR1_ECC_DQS)
N26018485: R671.2 U4.V28(DDR1_ECC_DQSN)
N26019143: R672.2 U4.G27(DDR2_DQS0N)
N26019150: R673.2 U4.H28(DDR2_DQS1N)
N26019157: R674.2 U4.K28(DDR2_DQS2N)
N26019164: R675.2 U4.M27(DDR2_DQS3N)
N26019171: R676.1 U4.G28(DDR2_DQS0)
N26019187: R677.1 U4.H27(DDR2_DQS1)
N26019190: R678.1 U4.K27(DDR2_DQS2)
N26019198: R679.1 U4.M28(DDR2_DQS3)
N26245443: D8.1(A) R701.1
N26245445: D8.2(C) Q18.3(D)
N26302295: R706.2 U78.4(SCLK)
N26302298: R707.2 U78.5(SDA)

Pads without a net: D78 4; ID1 1; ID2 1; ID3 1; J42 A8 B8; J91 2; NOREF#4 1; NOREF#5 1; NOREF#6 1; P2 6 17 18 19; U2 J1 J9 L1 L9; U3 B4 C9 F8 K4 K5 L4 M11 N12; U4 A4 A16 A17 A20 A24 A25 A27 AA1 AA2 AA3 AA4 AB1 AB2 AB3 AB4 AB9 AC1 AC2 AC5 AD2 AD8 AD14 AE8 AE9 AF2 AF4 AG7 AG9 AG10 AG11 AG12 AG13 AG14 AG15 AH3 AH5 AH7 AH9 AH10 AH11 AH12 AH13 AH14 AH15 B2 B5 B11 B16 B17 B18 B25 B28 C4 C12 C15 D12 D15 E1 E2 E4 E12 E15 E26 E27 E28 F3 F6 F13 F15 F16 F24 F25 F26 F27 F28 G1 G2 G13 G19 G20 G24 G25 G26 H7 H23 H24 H25 H26 J20 J23 J24 J25 J26 K20 K21 K22 K23 L22 L23 L24 L25 L26 L27 L28 M3 M4 M5 M22 M23 M24 M25 M26 N2 N6 N7 N9 N20 N23 N27 N28 P1 P2 P3 P4 P7 P9 P22 P23 P24 P25 P26 P27 R2 R3 R4 R22 R23 R24 R25 R26 R27 R28 T1 T2 T6 T7 T22 T23 T27 T28 U1 U2 U3 U22 U23 U24 U25 U26 U27 U28 V23 V24 V25 V26 W19 W22 W23 Y5 Y9 Y10 Y25 Y26; U7 A1 A2 A7 A8 A9 A10 A11 A12 A13 A14 B1 B7 B8 B9 B10 B11 B12 B13 B14 C1 C3 C5 C7 C8 C9 C10 C11 C12 C13 C14 D1 D2 D3 D4 D12 D13 D14 E1 E2 E3 E5 E8 E9 E10 E12 E13 E14 F1 F2 F3 F10 F12 F13 F14 G1 G2 G3 G10 G12 G13 G14 H1 H2 H3 H5 H12 H13 H14 J1 J2 J3 J12 J13 J14 K1 K2 K3 K6 K7 K10 K12 K13 K14 L1 L2 L3 L12 L13 L14 M1 M2 M3 M7 M8 M9 M10 M11 M12 M13 M14 N1 N3 N6 N7 N8 N9 N10 N11 N12 N13 N14 P1 P2 P7 P8 P9 P10 P11 P12 P13 P14; U8 1; U11 J1 J9 L1 L9; U12 6 9; U37 4 5 8 30 32 35 37 38 39 40; U72 6 7 13 14 15 17 18 19; U90 1

## Via types
v1: diameter 0.406, hole 0.203, TOP to BOTTOM, 1789 vias

## Routing (per net, layer and track width the routed paths; a pad name or vN(x,y) marks a point on that pad's centre or on a via; arc(x,y) is an arc through that point)
1V8_PHY_HDMI: length 4.5
  TOP w0.305: U4.W14 v1(52.31,33.73) ; U4.AA16 50.98,32.4 50.98,31.86 51.1,31.73 U4.AA17 51.26,31.56 51.74,31.56 U4.Y17
  TOP w0.381: U4.AA16 v1(50.7,32.93)
  BOTTOM w0.254: FB6.2 43.06,29.79 v1(43,29.85)
  BOTTOM w0.381: C116.1 47.8,33.43 v1(48.3,32.93)
1V8_PHY_LDO3: length 34.3
  TOP w0.254: U3.K11 v1(29.7,11.43)
  INT_L3 w0.305: v1(29.7,11.43) 31.37,13.1 31.37,14.86 35.33,18.82 35.33,20.02 35.94,20.62 35.94,23.37 37.11,24.54 37.11,27.2 38.25,28.35 38.25,29.18 38.66,29.59 v1(40,29.59)
  BOTTOM w0.305: v1(40,29.59) 40,30.1 39.75,30.35 39.75,37.53 40.58,38.36 FL1.1
1V8_PHY_LDO4: length 27.5
  TOP w0.254: U3.K12 v1(30.5,11.43)
  INT_L3 w0.305: v1(30.5,11.43) 32.05,12.98 32.51,12.98 32.99,13.46 33.99,13.46 35.94,15.42 35.94,19.84 36.47,20.37 36.47,22.23 37.8,23.55 37.8,27 38.76,27.97 38.76,28.8 39.07,29.11 40.39,29.11 40.67,29.39 40.67,29.79 41,30.12 v1(42.01,30.12)
  BOTTOM w0.305: v1(30.5,11.43) 30.81,11.74 C117.1 ; FB6.1 42.01,29.97 v1(42.01,30.12)
